# Allegro board LAUNCHXL-CC1312R1.brd (continued)
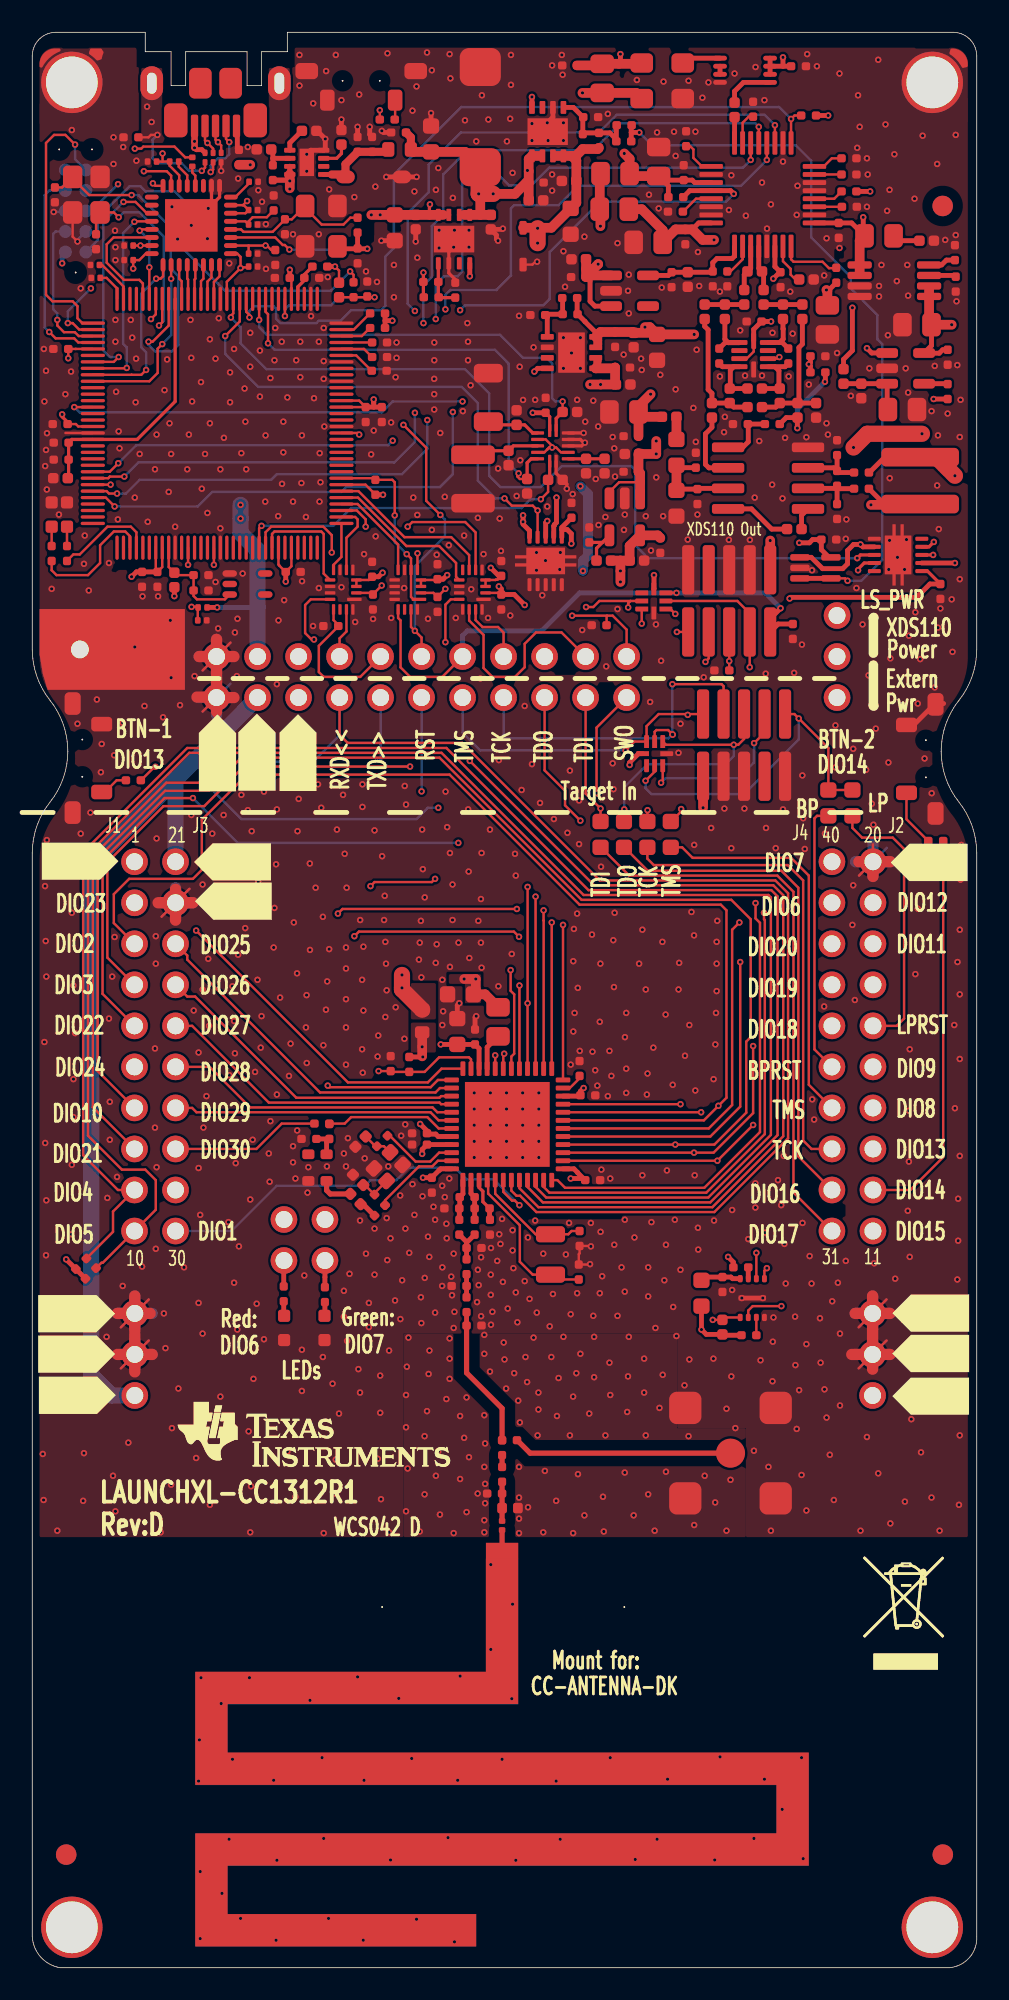
[diagram p0: board, top side]
## Routing (per net, layer and track width the routed paths; a pad name or vN(x,y) marks a point on that pad's centre or on a via; arc(x,y) is an arc through that point) (continued)
VBUS_DET: length 5
  TOP w0.15: R93.1 10.25,84.05 10.27,84.07 R92.1 10.23,84.24 v1(9.86,84.24) ; U5.12 v1(9.65,86.84)
  L3 w0.15: v1(9.65,86.84) 9.66,86.84 9.86,86.63 v1(9.86,84.24)
VDDC: length 16.2
  TOP w0.2: C45.1 2.25,92.25 C44.1 C43.1 2.45,94.6 U5.115 6.5,94.6 8.85,96.95 U5.87
VDDR: length 26.6
  TOP w0.3: v1(24.15,50.38) 24.15,50.65 C19.1 U1.45 ; v1(24.2,48.9) C20.1 24.75,48.91 25.2,49.36 25.21,49.36 25.3,49.45 U1.48
  TOP w0.6: v1(26.75,61.2) v1(27.47,61.2) 27.47,60.4 C18.1 28.05,60.25 L10.2
  L3 w0.6: v1(24.2,48.9) 24.2,50.32 v1(24.15,50.38) 22.57,50.38 22.15,50.8 22.15,57.89 22.91,58.65 24.26,58.65 24.67,59.06 24.67,59.86 25.31,60.5 26.9,60.5 26.98,60.57 27.01,60.57 27.38,60.94 27.38,60.97 27.47,61.07 v1(27.47,61.2) v1(26.75,61.2)
VDDS: length 36.4
  TOP w0.3: U1.34 27.67,56.9 C17.1 C16.1 v1(25.3,57.15) ; R1.2 v1(24.19,56.37) ; U1.22 33.9,53.95 C14.1 33.95,54.25 v1(34.15,54.45) ; U1.44 25.14,51.45 24.99,51.6 24.45,51.6 C15.1 24.45,51.8 v1(24.02,52.22) ; U1.13 33.55,49.45 33.79,49.21 33.79,49.2 34.24,48.75 C12.1 34.15,48.85 v1(33.35,48.85)
  TOP w0.6: 24.15,56.41 v1(24.15,57) FL1.1
  L3 w0.3: 32.79,54.65 32.99,54.45 v1(34.15,54.45)
  L3 w0.6: 26.11,55.35 25.21,55.35 v1(24.19,56.37) 24.19,56.96 v1(24.15,57) 24.3,57.15 v1(25.3,57.15) ; 26.11,55.35 26.21,55.25 26.21,52.65 25.78,52.22 v1(24.02,52.22) ; 26.11,55.35 32.09,55.35 32.79,54.65 32.79,49.41 v1(33.35,48.85)
BP_RESET: length 16.8
  TOP w0.15: R52.1 48.61,71.3 48.45,71.14 48.45,56.84 J2.11
DCDC_SW: length 2.3
  TOP w0.3: L10.1 28.17,56.97 U1.33
DIO1: length 26
  TOP w0.15: v1(30.17,47.2) 29.89,47.49 29.71,47.49 29.17,48.02 U1.6
  BOTTOM w0.15: J1.20 12.34,45.6 15.14,48.4 20.6,48.4 20.95,48.75 22.55,48.75 23.32,49.52 26.18,49.52 26.9,48.8 28.57,48.8 v1(30.17,47.2)
DIO4_SCL: length 110.6
  TOP w0.15: U1.9 30.67,48.32 31.63,47.37 42,47.37 46.16,51.54 46.16,66.31 45.77,66.7 34.45,66.7 25.65,75.5 9.6,75.5 3.15,69.05 3.15,50.29 5.3,48.14 J1.17 5,46.81 5,45.55 R2.1
DIO5_SDA: length 110
  TOP w0.15: U1.10 31.17,48.33 31.83,47.67 41.87,47.67 45.75,51.55 45.75,66.25 45.6,66.4 34.15,66.4 25.35,75.2 9.72,75.2 3.45,68.93 3.45,51.5 5.55,49.4 7,49.4 7.65,48.75 7.65,46.92 J1.19 4.37,43.64 4.29,43.64 R3.1
DIO6_RLED: length 84.5
  TOP w0.15: v1(18.93,65.25) 19.21,65.53 v1(30.01,65.53) ; v1(45.32,65.3) 45.32,64.9 45.38,64.85 45.38,51.6 41.75,47.97 32.03,47.97 31.67,48.33 U1.11
  L3 w0.15: v1(18.93,65.25) 18.93,54.22 18.08,53.38 17.32,53.38 15.59,51.64 P6.2 ; J2.3 45.94,65.92 v1(45.32,65.3) 41.62,65.3 41.12,64.8 36.32,64.8 34.87,63.35 29.97,63.35 29.72,63.59 29.72,65.25 v1(30.01,65.53)
DIO7_GLED: length 79.2
  TOP w0.15: U1.12 32.53,48.75 33,48.27 41.62,48.27 45.07,51.72 45.07,64.68 44.8,64.95 v1(44.8,65.9) ; v1(19.95,63.85) 20.23,64.13 29.83,64.13 v1(30.15,63.81)
  L3 w0.15: P6.4 18.13,47.38 17.71,47.8 17.71,51.86 19.95,54.1 v1(19.95,63.85) ; v1(30.15,63.81) 33.71,63.81 35.79,65.9 v1(44.8,65.9) 47.36,68.46 J2.1
DIO8_MISO: length 36
  TOP w0.15: v1(46.4,40.95) 44.62,40.95 44.35,40.68 U4.2 ; U1.14 v1(42.44,49.95) v1(44.65,52.16)
  L3 w0.15: v1(44.65,52.16) 46.94,54.45 50.84,54.45 J2.14 ; v1(46.4,40.95) 46.8,40.95 47.41,41.56 47.41,45.18 42.64,49.95 v1(42.44,49.95)
DIO9_MOSI: length 35.3
  TOP w0.15: U1.15 v1(40.99,50.45) 42.2,50.45 44.65,52.9 v1(44.65,57.05) ; U4.5 45.35,43.15 v1(45.5,43.3)
  L3 w0.15: v1(40.99,50.45) 40.99,50.08 44.52,46.55 45.07,46.55 45.87,45.75 45.87,43.67 v1(45.5,43.3) ; v1(44.65,57.05) 50.78,57.05 J2.12
DIO10_SCLK: length 98.7
  TOP w0.15: U1.16 v1(39.83,50.95) 42.25,50.95 44.22,52.93 44.22,57.32 44.5,57.6 44.5,64.9 43.3,66.1 34.02,66.1 25.22,74.9 12.95,74.9 10.9,72.85 8.22,72.85 4.05,68.68 4.05,55.5 J1.13 ; U4.6 v1(44.85,44.25)
  L3 w0.15: v1(44.85,44.25) 44.85,45.37 43.92,46.3 43.1,46.3 39.83,49.57 v1(39.83,50.95)
DIO11_CS: length 29.5
  TOP w0.15: U1.17 42,51.45 43.85,53.3 v1(43.85,62.25)
  L3 w0.15: v1(43.85,62.25) 44.25,62.25 44.4,62.1 50.79,62.1 J2.6
DIO12: length 31.3
  TOP w0.15: U1.18 41.9,51.95 43.35,53.4 43.35,64.25 v1(43.8,64.7)
  L3 w0.15: v1(43.8,64.7) 50.26,64.7 50.75,65.19 51.35,65.19 J2.4
DIO13_BTN1: length 73.7
  TOP w0.15: v1(14.9,73.85) 25.85,73.85 33.9,65.8 42.65,65.8 43,65.45 43,53.85 v1(42.5,53.35) 41.6,52.45 U1.19 ; v1(7.63,74.34) 7.57,74.34 6.74,73.5 R56.2
  L3 w0.15: v1(42.5,53.35) 44.35,51.5 45.28,51.5 45.73,51.95 50.8,51.95 J2.16 ; v1(7.63,74.34) 14.01,74.34 14.5,73.85 v1(14.9,73.85)
DIO14_BTN2: length 46
  TOP w0.15: J2.18 54.39,48.14 56.42,50.17 R55.2 ; U1.20 v1(41.43,52.95)
  L3 w0.15: J2.18 50.76,49.45 45.52,49.45 42.02,52.95 v1(41.43,52.95)
DIO15: length 22.5
  TOP w0.15: U1.21 v1(40.15,53.45)
  L3 w0.15: J2.20 50.77,46.9 48.03,46.9 47.07,47.85 47.07,47.85 46.31,47.85 46.31,47.86 43.39,50.78 42.82,50.78 v1(40.15,53.45)
DIO16_TDO: length 45.5
  TOP w0.15: R48.2 36.67,70.97 v1(36.67,71.7) ; P4.6 31.73,74.12 33,72.85 33,71.95 v1(33.95,71) ; U1.26 31.67,64.82 31.67,64.83 v1(31.67,65.45) ; CR8.5 39.25,75.7 v1(43.45,75.7) 43.73,75.7 44.09,76.06 P5.6
  L3 w0.15: v1(31.67,65.45) 31.67,65.85 31.67,65.86 31.67,69.5 33.18,71 v1(33.95,71) 35.97,71 v1(36.67,71.7)
  BOTTOM w0.15: v1(36.67,71.7) 36.67,73.07 38.1,74.5 42.95,74.5 43.45,75 v1(43.45,75.7)
DIO17_TDI: length 42.7
  TOP w0.15: U1.27 v1(31.17,66.3) ; v1(44.71,75.8) 45.36,76.45 P5.8 ; v1(38.95,73.35) 39.05,73.45 CR8.3 ; R49.2 v1(35.2,71.75) 34.27,72.68 P4.4
  L3 w0.15: v1(38.95,73.35) 38,72.4 35.85,72.4 v1(35.2,71.75) 32.01,71.75 31.17,70.92 v1(31.17,66.3)
  BOTTOM w0.15: v1(44.71,75.8) 44.71,75.4 44.7,75.39 44.7,74.6 43.72,73.62 43.72,73.63 39.23,73.63 v1(38.95,73.35)
DIO19_CTS: length 25
  TOP w0.15: v1(30.17,60.79) U1.29
  L3 w0.15: v1(30.17,60.79) 30.78,61.4 47.94,61.4 48.5,60.84 J2.7
DIO20_FLASH_CS: length 61.1
  TOP w0.15: U1.30 29.67,56.4 29.85,56.57 29.85,60.25 29.63,60.47 v1(29.63,61.75) ; v1(42.15,40.1) R11.2 42.9,40.25 U4.1
  L3 w0.15: J2.5 48.5,63.38 48.02,62.9 30.78,62.9 v1(29.63,61.75) 29.75,61.63 29.75,60 30.03,59.72 30.03,57.75 30.43,57.35 35.99,57.35 37.47,55.87 37.47,50.32 42.34,45.45 42.87,45.45 43.95,44.37 43.95,42.85 43.6,42.5 42.51,42.5 42.15,42.14 v1(42.15,40.1)
DIO21: length 62.1
  TOP w0.15: v1(10.7,73.35) 8.3,73.35 3.75,68.8 3.75,53.26 J1.15 ; v1(29.23,56.57) 29.17,56.52 U1.31
  L3 w0.15: v1(25.15,71.8) 25.84,71.8 29.2,68.44 29.2,61.34 29.38,61.16 29.38,57.13 29.23,56.98 v1(29.23,56.57)
  BOTTOM w0.15: v1(25.15,71.8) 24.5,71.8 23.8,71.1 12.95,71.1 v1(10.7,73.35)
DIO22: length 50.8
  TOP w0.15: v1(9.95,72.4) 8.2,72.4 4.35,68.55 4.35,60.28 J1.9 ; U1.32 v1(28.67,56.47)
  L3 w0.15: v1(26.39,69.62) 28.35,67.66 28.35,57.1 28.67,56.78 v1(28.67,56.47)
  BOTTOM w0.15: v1(9.95,72.4) 12.72,69.62 v1(26.39,69.62)
DIO23_ANALOG: length 25.3
  TOP w0.15: U1.36 25.35,55.65 24.5,54.8 19.55,54.8 v1(10.15,64.2)
  L3 w0.15: v1(10.15,64.2) 9.7,64.65 7.6,64.65 J1.3
DIO24_ANALOG: length 20.4
  TOP w0.15: v1(18.3,54.6) 18.32,54.6 18.42,54.5 24.67,54.5 25.12,54.95 U1.37
  L3 w0.15: J1.11 7.59,54.5 17.8,54.5 17.9,54.6 v1(18.3,54.6)
DIO25_ANALOG: length 21.2
  TOP w0.15: J1.6 9.6,62.65 9.6,62.4 17.82,54.18 24.97,54.18 25.25,54.45 U1.38
DIO26_ANALOG: length 20
  TOP w0.15: J1.8 9.6,60.11 10.09,60.11 16.35,53.85 25.22,53.85 25.32,53.95 U1.39
DIO27_ANALOG: length 19.1
  TOP w0.15: U1.40 25.32,53.45 25.22,53.55 14.65,53.55 9.9,58.3 J1.10
DIO28_ANALOG: length 18.3
  TOP w0.15: U1.41 25.09,52.95 24.79,53.25 13.5,53.25 10.99,55.76 J1.12
DIO29_ANALOG: length 17.4
  TOP w0.15: U1.42 25.17,52.45 24.67,52.95 10.17,52.95 9.9,53.22 J1.14
DIO30/TCXO_VCC: length 8.1
  TOP w0.15: R8.2 R9.1 19.35,52.25 19.75,52.65 24.47,52.65 25.17,51.95 U1.43
DIO30_ANALOG: length 9.3
  TOP w0.15: J1.16 13.88,50.68 15.45,52.25 R9.2
ET_1V8: length 6.8
  TOP w0.3: U35.1 43.5,105.95 43.35,105.8 42.41,105.8 42.15,105.54 C128.1 42.1,104.95 C159.1 C158.1 39.4,104.75 U43.5
ET_3V3: length 52.6
  TOP w0.15: U37.3 44.25,99.6 44.69,100.04 44.69,100.7
  TOP w0.3: U42.4 34.9,101.22 34.23,101.89 34.23,101.9 33.79,102.35 R132.2 33.75,102.37 C153.1 ; U42.4 U42.3 35.1,100.5 35.15,100.5 35.15,100.75 34.95,100.95 U42.4 ; C142.1 55.7,100.41 U41.5 55.25,99.94 56.18,99.94 56.39,100.15 C141.1 ; v1(45.76,101.9) C126.2 44.69,101.41 44.69,100.7 ; 55.55,103.95 U40.2
  TOP w0.6: U42.4 35.2,101.25 C154.1 37.2,101.25 C155.1 38.6,101.2 ; 55.55,103.95 U40.1 55.55,101.85 C142.1 v1(56.95,101.7) ; 38.6,101.2 38.25,101.55 v1(37.95,101.55) ; 38.6,101.2 C156.1 v1(41,101.1) ; v1(35.19,107.8) 35.19,108.81 FL6.2 35.15,111 FL5.1
  L3 w0.3: 45.79,102.5 45.76,102.48 v1(45.76,101.9)
  L3 w0.6: v1(56.95,101.7) 56.15,102.5 53.35,102.5 53.35,102.49 52.46,101.6 48.55,101.6 47.65,102.5 43.18,102.5 41.78,101.1 v1(41,101.1) ; v1(37.95,101.55) 37.95,107.08 37.23,107.8 v1(35.19,107.8)
ET_5V0: length 6.1
  TOP w0.3: U36.7 41.25,91.57 C125.2 39.97,91.52 C168.1 ; C167.1 40.05,92.85 FL3.1
  TOP w0.6: FL3.1 C168.1
ET_AVDD: length 22.6
  TOP w0.3: U35.32 41.28,108 40.88,107.6 ; v1(45.9,104.55) 46.3,104.95 C120.1 46,105.3 U35.6 ; R98.1 49.35,103.85 v1(49.19,103.85)
  TOP w0.6: v1(49.19,103.85) 49.25,103.79 C122.1 ; FL6.1 37.75,108.85 39.05,107.55 C121.1 39.85,107.6 C119.1 40.88,107.6 41.53,106.95 v1(42.23,106.95)
  L3 w0.3: v1(45.9,104.55) 47.18,104.55 47.27,104.64
  L3 w0.6: v1(49.19,103.85) 48.06,103.85 47.27,104.64 47.27,105.24 45.56,106.95 v1(42.23,106.95)
ET_BYPASS: length 60.8
  TOP w0.15: U5.78 12.45,102.4 12.3,102.25 v1(12.3,102.15)
  TOP w0.2: U33.4 55.54,87.95 v1(55.84,88.25) ; v1(51.1,87.25) 51.3,87.45 U33.8
  L3 w0.2: v1(55.84,88.25) 54.72,88.25 54.27,87.8 52.91,87.8 52.36,87.25 v1(51.1,87.25)
  BOTTOM w0.15: v1(12.3,102.15) 12.9,101.55 12.9,100.55 14.5,98.95 26.8,98.95 28.3,97.45 28.3,92.35 29,91.65 31.5,91.65 32.8,92.95 37.1,92.95 37.35,92.7 37.35,88.05 37.95,87.45 37.95,87.4 38.1,87.25 v1(51.1,87.25)
ET_CAL0: length 25.7
  TOP w0.15: R129.1 v1(32.85,96.95) ; U5.74 v1(14.05,102)
  TOP w0.2: U39.13 32.45,95.9 R129.1
  BOTTOM w0.15: v1(14.05,102) 14.05,101.55 14.52,101.07 28.97,101.07 30.4,99.65 31.85,99.65 32.2,99.3 32.2,97.15 32.4,96.95 v1(32.85,96.95)
ET_CAL1: length 27.9
  TOP w0.15: v1(14.6,100.55) 14.6,101.25 14.6,101.25 14.6,102.35 14.45,102.5 U5.73 ; R128.1 30.2,92.15 30.05,92.3 30.05,92.43 v1(30.12,92.5)
  TOP w0.2: R128.1 30.65,93.15 30.9,93.4 U39.5
  BOTTOM w0.15: v1(14.6,100.55) 15,100.15 28.65,100.15 29.5,99.3 29.5,93.12 v1(30.12,92.5)
ET_CAL2: length 22
  TOP w0.15: R127.1 31.95,91.35 v1(31.5,90.9) ; v1(14.2,89.25) 14.05,89.1 U5.23
  TOP w0.2: U39.6 32.05,92.2 R127.1
  BOTTOM w0.15: v1(31.5,90.9) 30.85,90.9 30.3,90.35 19.75,90.35 18.65,89.25 v1(14.2,89.25)
ET_CALIBRATE: length 31.6
  TOP w0.15: v1(11.95,101) 12.85,101.9 U5.77 ; U38.4 v1(31.3,90.2) 31,90.5 29.7,90.5 v1(29.25,90.95)
  BOTTOM w0.15: v1(11.95,101) 11.95,99.9 14,97.85 26.6,97.85 27.6,96.85 27.6,92.05 28.7,90.95 v1(29.25,90.95)
ET_DVDD: length 41.7
  TOP w0.3: 39.05,110.65 C117.1 ; 39.05,110.65 C116.1 40.88,110.65 41.03,110.5 U35.27 ; 39.05,110.65 39.4,110.3 R114.1 ; R96.1 v1(49.3,114.65) ; R119.1 v1(51.9,109.95)
  TOP w0.6: v1(36.67,112.3) 37,111.97 FL5.2 37.15,110.9 C117.1 ; v1(34.08,116.05) FL4.1 37.4,116.05 Y6.1
  L3 w0.3: 50.07,114.6 50.02,114.65 v1(49.3,114.65)
  L3 w0.6: v1(34.08,116.05) 36.43,116.05 37,115.48 37,114.65 ; 37,114.65 42.15,114.65 43.95,116.45 49.29,116.45 50.07,115.67 50.07,110.83 50.95,109.95 v1(51.9,109.95) ; 37,114.65 36.67,114.32 v1(36.67,112.3)
ET_FB: length 45.1
  TOP w0.15: v1(50.5,85.85) 50.35,86 U45.4
  TOP w0.3: C169.2 37.1,114.03 37.1,113.6 ; U45.3 U45.4 ; R138.1 37.1,113.6 ; 37.1,113.6 v1(37.6,113.6)
  BOTTOM w0.15: v1(37.6,113.6) 38.4,112.8 47.3,112.8 48.25,111.85 48.25,107.1 50.7,104.65 50.7,103.95 52.35,102.3 52.35,100.8 52.65,100.5 52.65,87.15 51.35,85.85 v1(50.5,85.85)
ET_PM2: length 48.6
  TOP w0.15: v1(13.45,102.15) 13.45,102.3 13.25,102.5 13.25,103.3 ; U35.17 v1(47,114.44) 47.21,114.65 R96.2
  BOTTOM w0.15: v1(13.45,102.15) 13.45,102.55 13.75,102.85 14.95,102.85 15.1,102.7 15.1,102.08 15.38,101.8 17.6,101.8 17.75,101.95 19.1,101.95 19.75,102.6 21.6,102.6 21.88,102.88 21.88,105.93 22.4,106.45 22.4,111 26.57,115.18 46.26,115.18 v1(47,114.44)
ET_PN3: length 56.3
  TOP w0.15: U5.110 v1(2.6,96.6)
  TOP w0.3: R114.2 40.72,110 U35.28 43.25,110 v1(43.45,109.8)
  L3 w0.15: v1(26.65,96.95) 26.65,97.35 26.5,97.5 v1(26.5,102.6)
  BOTTOM w0.15: v1(2.6,96.6) 2.92,96.27 21.65,96.27 22.32,96.95 v1(26.65,96.95) ; v1(43.45,109.8) 42.97,109.32 35.17,109.32 32.05,106.2 32.05,103.3 31.65,102.9 26.8,102.9 v1(26.5,102.6)
ET_SSICLK: length 59.1
  TOP w0.15: v1(5.32,93.12) 4.8,92.6 U5.120 ; U35.22 v1(44.5,111.9)
  L3 w0.15: v1(22.32,94.52) 24.06,94.52 25.35,95.81 25.35,101.69 v1(24.99,102.05)
  BOTTOM w0.15: v1(22.32,94.52) 22.04,94.24 6.44,94.24 v1(5.32,93.12) ; v1(24.99,102.05) 24.99,104.19 25.5,104.7 26.35,104.7 26.62,104.98 26.62,110.77 26.8,110.95 28.9,110.95 29.52,110.33 30.92,110.33 32.02,111.43 44.02,111.43 v1(44.5,111.9)
ET_SSIDAT0: length 61.5
  TOP w0.15: U5.123 4.6,91.4 4.75,91.25 v1(5.25,91.25) ; U35.21 v1(45,113.95)
  L3 w0.15: v1(24.47,95.8) 24.47,101.56 v1(24.23,101.8)
  BOTTOM w0.15: v1(5.25,91.25) 5.8,91.25 6.65,92.1 14.8,92.1 15.15,92.45 22.9,92.45 24.47,94.02 v1(24.47,95.8) ; v1(24.23,101.8) 24.23,104.13 24.75,104.65 24.75,107.8 25.45,108.5 25.45,111 26.95,112.5 34.75,112.5 36.42,114.18 44.77,114.18 v1(45,113.95)
ET_SSIDAT1: length 61.5
  TOP w0.15: U35.20 v1(45.5,111.9) ; v1(5.1,90.45) 4.55,91 3.75,91
  L3 w0.15: v1(25.59,102.65) 26.05,102.19 v1(26.05,96.3)
  BOTTOM w0.15: v1(26.05,96.3) 26.05,92.45 25.25,91.65 19.45,91.65 19.15,91.35 11.15,91.35 10.25,90.45 v1(5.1,90.45) ; v1(25.59,102.65) 25.59,103.55 25.89,103.85 28.75,103.85 29.65,104.75 29.65,108.9 29.85,109.1 32.6,109.1 33.8,110.3 43.9,110.3 v1(45.5,111.9)
ET_SSIFSS: length 62.9
  TOP w0.15: U5.121 4.7,92.2 4.8,92.3 v1(5.7,92.3) ; U35.19 v1(46,114.05)
  L3 w0.15: v1(23.7,96.25) v1(23.7,102.55)
  BOTTOM w0.15: v1(5.7,92.3) 6.58,93.18 22.42,93.18 23.7,94.45 v1(23.7,96.25) ; v1(23.7,102.55) 23.25,103 23.25,108.6 24.55,109.9 24.55,111.6 26.55,113.6 35.1,113.6 36.2,114.7 45.35,114.7 v1(46,114.05)
ET_VDD: length 61.3
  TOP w0.3: 32.4,112.15 U46.3
  TOP w0.6: 31.3,107.7 CR14.1 ; 31.3,107.7 32.15,107.7 C174.1 33.7,109.25 C173.1 33.7,111.86 33.41,112.15 ; 31.3,107.7 v1(31.3,107.67) ; 33.41,112.15 U46.4 32.4,112.15 ; 33.41,112.15 33.67,112.15 R151.2 35.03,112.58 C172.1
  TOP w1: v1(31.3,107.67) v1(31.3,106.75)
  L3 w1: v1(31.3,106.75) v1(31.3,107.67) 31.36,107.67 33.04,109.35 33.08,109.35 34.43,110.7 38.78,110.7 40.19,109.29 40.19,102.65 39.83,102.29 39.83,99.75 42.63,96.95 49.6,96.95 50.35,96.2 52.83,96.2 53.23,95.8 53.23,94.19 49.35,90.31 49.35,85.65 49.85,85.15 P10.1
ET_VREF: length 17
  TOP w0.3: v1(50.8,102.75) 50.8,100.1 50.25,99.55 R121.1 ; 51.47,107.28 50.75,108 C127.1 U35.9 ; 51.47,107.28 C146.1 ; 51.47,107.28 v1(51.47,108.35) ; 51.25,104.9 U40.6
  TOP w0.6: C146.1 51.25,106.9 U40.5 51.25,104.9
  L3 w0.3: v1(51.47,108.35) 51.47,103.42 v1(50.8,102.75)
IRSTN: length 24.6
  TOP w0.15: v1(19.69,105) 19.9,104.79 R20.2
  BOTTOM w0.15: P8.10 4.05,106.93 4.05,108.3 6.02,110.27 6.7,110.27 7.02,109.95 8.82,109.95 9.42,109.35 9.42,106.32 11.95,103.8 18.49,103.8 v1(19.69,105)
ITCK: length 13
  TOP w0.15: v1(1.05,101.25) 1.44,100.86 2.59,100.86 2.85,100.6 U5.100
  BOTTOM w0.15: P8.4 1.06,110.01 0.76,109.71 0.76,101.54 v1(1.05,101.25)
ITDI: length 14.3
  TOP w0.15: v1(2.2,101.8) 2.5,101.8 2.9,101.4 U5.98
  L3 w0.15: v1(3.63,103.95) 4.51,104.83 4.51,109.6 v1(5.31,110.4)
  BOTTOM w0.15: P8.8 3.75,109.17 4.08,109.17 v1(5.31,110.4) ; v1(3.63,103.95) 2.2,102.52 v1(2.2,101.8)
ITDO: length 17.6
  TOP w0.15: v1(2.65,112.85) 2.05,113.45 1.35,113.45 0.85,112.95 0.85,103.55 1.25,103.15 2.5,103.15 2.8,102.85 2.8,102.1 3.1,101.8 U5.97
  BOTTOM w0.15: v1(2.65,112.85) 2.65,111.95 P8.6
ITMS: length 9.1
  TOP w0.15: v1(1.55,102) 1.55,101.65 1.96,101.24 2.64,101.24 2.88,101 3.75,101
  BOTTOM w0.15: v1(1.55,102) 1.55,102.4 1.3,102.65 1.3,107.32 1.45,107.47 P8.2
LP_RESET: length 17.1
  TOP w0.15: J2.10 53.55,58.3 54,58.75 54,69.25 53.3,69.95 51.4,69.95 50.8,70.55 R51.1
LS_VDD: length 60.1
  TOP w0.15: U10.2 24.85,85.1 C74.1 25.1,84.86 v1(25.59,85.35) ; U9.2 28.95,85.1 C72.1 ; U8.2 21,85.1 C70.1 21.1,85.01 v1(21.64,85.56)
  TOP w0.2: v1(51.15,86.5) 51.15,86.57 51.53,86.95 U33.9 ; U33.3 v1(55.8,87.45)
  TOP w0.3: v1(30.5,84.35) 29.85,85 C72.1 29.05,85.35 v1(28.9,85.5) ; v1(38.51,86.2) 38.51,85.36 CR7.8
  TOP w0.6: P7.1 v1(45.71,88.34)
  L3 w0.15: v1(28.9,85.5) 28.5,85.5 28.25,85.75 25.99,85.75 v1(25.59,85.35) 25.1,85.84 21.93,85.84 v1(21.64,85.56)
  L3 w0.3: v1(38.51,86.2) 37.44,85.12 32.89,85.12 32.12,84.35 v1(30.5,84.35)
  L3 w0.6: v1(55.8,87.45) 55.36,87.45 54.96,87.05 ; 44.31,85.95 38.76,85.95 v1(38.51,86.2) ; 44.31,85.95 44.46,85.95 45.71,87.2 v1(45.71,88.34) ; 44.31,85.95 44.31,82.05 45.2,81.16 P10.2 ; 51.76,86.05 51.31,86.5 v1(51.15,86.5)
  L3 w1: P10.2 51.3,81.16 53.41,83.27 53.41,85.45 53.31,85.55 ; 53.31,85.55 52.26,85.55 51.76,86.05 ; 53.31,85.55 54.46,85.55 54.96,86.05 54.96,87.05
SW_VDD: length 59.6
  TOP w0.2: C114.1 55.45,86.45 U33.1 ; C140.1 32.05,96 U39.14
  TOP w0.3: v1(47.51,88.2) 48.14,88.2 48.34,88.4 C170.2 48.88,87.78 49.35,87.3 U45.5 ; C140.1 v1(31,96.25) ; 32.8,89.02 32.8,89.15 C139.1 ; 32.8,89.02 33.13,89.02 33.39,88.76 v1(33.39,88.15) ; 32.8,89.02 U38.1 ; v1(46.91,84.75) 46.98,84.82 54.77,84.82 55.6,85.65 C114.1
  TOP w0.6: 36.43,87.1 C163.1 37,88.01 U44.5 38.74,88.66 C162.1 ; 36.43,87.1 R134.2 ; 36.43,87.1 v1(36.43,86.46) v1(36.43,85.78)
  L3 w0.3: v1(47.51,88.2) 46.91,88.2
  L3 w0.6: v1(36.43,85.78) v1(36.43,86.46) ; v1(36.43,86.46) v1(34.11,86.46) 33.4,87.17 33.4,87.51 33.39,87.52 v1(33.39,88.15) ; v1(36.43,86.46) 36.43,87.59 37.99,89.15 42.4,89.15 43.35,90.1 46.31,90.1 46.91,89.5 v1(46.91,84.75) ; v1(33.95,91.7) 33.95,92.33 33.55,92.73 33.55,94.71 31.96,96.3 31.05,96.3 v1(31,96.25)
  BOTTOM w0.6: v1(33.95,91.7) 34.43,91.22 34.43,87.4 34.11,87.09 v1(34.11,86.46)
TARGET_VDD: length 22.8
  TOP w0.3: v1(30.4,89.9) v1(30.4,89.5) 30.4,89.35 30.8,88.95 U38.5
  L3 w1: P4.17 16.49,83.49 17.4,84.4 21.68,84.4 21.69,84.41 29.05,84.41 30.35,85.71 30.35,89.85 v1(30.4,89.9)
TCXO_OUTPUT: length 1.2
  TOP w0.32: R7.1 20.49,47.26 C25.2
USB1V8: length 15
  TOP w0.15: C84.1 v1(6.7,106.6) U15.15 ; 13.4,106.6 U15.26 ; 13.4,106.6 v1(14.45,106.6) 14.53,106.6 14.8,106.32 C85.2 ; 13.4,106.6 C83.1
  L3 w0.15: v1(14.45,106.6) 14.03,106.18 14.03,104.67 13.71,104.35 11.98,104.35 10.23,106.1 7.2,106.1 v1(6.7,106.6)
USB_VBUS: length 13.1
  TOP w0.3: v1(10.05,112.65) 10.16,112.54 10.5,112.54 CR6.6
  TOP w0.32: U47.3 U47.4 ; v1(15.95,110.6) 15.9,110.65 R154.1
  TOP w0.4: J6.1 v1(10.05,113.05) v1(10.05,112.65)
  TOP w0.6: U47.4 v1(15.95,110.6) 15.95,110.15 ; C106.1 v1(13.5,111.6)
  L3 w0.15: v1(13.5,111.6) 13.53,111.6
  L3 w0.6: v1(15.95,110.1) v1(15.95,110.6) 14.53,110.6 13.13,112 10.47,112 10.05,112.42 v1(10.05,112.65) v1(10.05,113.05)
USBA1V8: length 3.2
  TOP w0.15: 14.95,108.76 C86.2 14.52,108.35 13.65,108.35 13.4,108.1 C87.1 13.2,108.1 U15.29
USBCLK: length 7.8
  TOP w0.15: U5.92 6.85,104.25 6.63,104.48 5.67,104.48 4.61,105.54 4.61,106.68 5.03,107.1 U15.14
USBD0: length 2.2
  TOP w0.15: U15.24 11.6,104.7 11.25,104.35 U5.81
USBD1: length 2.2
  TOP w0.15: U5.82 10.85,104.37 11.1,104.62 U15.23
USBD2: length 2.2
  TOP w0.15: U15.22 10.6,104.55 10.45,104.4 U5.83
USBD3: length 2.1
  TOP w0.15: U15.21 10.1,104.55 10.05,104.5 U5.84
USBD4: length 2.1
  TOP w0.15: U15.20 9.6,104.55 9.65,104.5 U5.85
USBD5: length 2.2
  TOP w0.15: U5.86 9.25,104.4 9.1,104.55 U15.19
USBD6: length 11.3
  TOP w0.15: v1(8.6,104.55) U15.18 ; U5.106 7.25,98.2 7.76,98.71 7.76,100.21 v1(8.05,100.5)
  BOTTOM w0.15: v1(8.6,104.55) 8.6,101.05 v1(8.05,100.5)
USBD7: length 10.8
  TOP w0.15: U15.17 8.1,104.7 7.95,104.55 v1(7.67,104.55) ; U5.105 6.15,98.6 6.15,98.6 6.75,98.6 v1(7.05,98.9)
  BOTTOM w0.15: v1(7.67,104.55) 6.75,103.63 6.75,100.3 7.05,100 v1(7.05,98.9)
USBDIR: length 12.6
  TOP w0.15: v1(6.33,108.07) 6.37,108.07 6.4,108.1 U15.12 ; v1(5.85,99.03) 5.82,99 U5.104
  BOTTOM w0.15: v1(6.33,108.07) 5.62,107.37 5.62,100.52 5.85,100.3 v1(5.85,99.03)
USBDM: length 9.3
  TOP w0.15: v1(7.47,110.45) 7.62,110.3 U15.8 ; CR6.5 11.2,112.6 v1(10.85,112.95) 10.7,113.1 J6.2
  L3 w0.15: v1(7.47,110.45) 7.47,112.62 8.59,113.75 10.68,113.75 10.83,113.6 10.83,112.97 v1(10.85,112.95)
USBDP: length 12.3
  TOP w0.15: U15.7 8.6,110.93 8.33,111.2 v1(6.91,111.2) ; J6.3 11.35,113.15 v1(11.5,113) 11.7,112.8 CR6.4
  L3 w0.15: v1(11.5,113) 11.5,114 11.35,114.15 7.91,114.15 7.03,113.27 7.03,111.5 6.91,111.38 v1(6.91,111.2)
USBNXT: length 14.6
  TOP w0.15: v1(5.35,99.7) 5.05,99.4 U5.103 ; v1(5.65,109.3) 6.39,109.3 7.09,108.6 U15.11
  BOTTOM w0.15: v1(5.35,99.7) 4.8,99.7 4.4,100.1 4.4,108.05 v1(5.65,109.3)
USBSTP: length 5.3
  TOP w0.15: v1(6.65,107.52) 6.67,107.52 6.75,107.6 U15.13 ; U5.91 v1(7.25,105.25)
  BOTTOM w0.15: v1(6.65,107.52) 7.25,106.93 v1(7.25,105.25)
VCM: length 18.9
  TOP w0.3: v1(55.83,97.1) R131.1 ; U41.1 52,99.95 v1(51.7,100.25) ; v1(47.39,95.3) 47.39,95.94 R109.2 46.7,95.95 R100.1 ; v1(49.1,98.17) 49.12,98.2 R111.2
  L3 w0.3: 52.35,98.17 52.95,98.77 U41.1 52.65,100.25 v1(51.7,100.25) ; 52.35,98.17 v1(49.1,98.17) ; 52.35,98.17 54.76,98.17 v1(55.83,97.1)
  BOTTOM w0.3: v1(49.1,98.17) 47.39,96.46 v1(47.39,95.3)
WMCU_RESET: length 70
  TOP w0.15: v1(20.95,66.95) 21.2,67.2 24.75,67.2 v1(24.95,67.4) ; v1(21.45,55.5) C52.1 22.25,55.45 R1.1 24.3,55.45 25.2,56.35 27.05,56.35 27.17,56.22 U1.35 ; 47.47,77.33 49.31,75.5 R52.2 R51.2 ; 47.47,77.33 v1(47.47,77.32) ; 47.47,77.33 47.21,77.6 P5.10 ; CR8.2 38.55,74.03 v1(37.99,73.47)
  L3 w0.15: v1(24.95,67.4) 24.95,70.85 24.11,71.69 v1(24.11,72.81) 24.77,73.47 v1(37.99,73.47) ; v1(20.95,66.95) 20.95,55.92 21.37,55.5 v1(21.45,55.5)
  BOTTOM w0.15: v1(24.11,72.81) P4.12 ; v1(47.47,77.32) 47.47,76.03 44.1,72.65 38.35,72.65 37.99,73.01 v1(37.99,73.47)
WMCU_RXD: length 95.4
  TOP w0.15: U1.7 29.67,48.1 29.99,47.78 30.21,47.78 31.23,46.77 42.25,46.77 46.81,51.34 46.81,66.51 46.02,67.3 35.15,67.3 26.63,75.81 19.53,75.81 19.03,76.32 P4.16 ; J1.5 5.05,64.66 5.05,66.45 6,67.4 9.95,67.4 10.5,67.95 10.5,71.05 13.2,73.75 v1(13.71,73.75)
  BOTTOM w0.15: v1(13.71,73.75) 14.6,74.65 17.39,74.65 19.05,76.3 19.05,77.57 19.03,77.59 P4.16
WMCU_SWO: length 47.1
  TOP w0.15: v1(30.68,66.9) v1(30.68,59.7) 30.67,59.69 U1.28 ; P4.2 34.95,76.76 v1(34.95,72.7)
  L3 w0.15: v1(34.95,72.7) 31.24,72.7 30.68,72.14 v1(30.68,66.9) ; v1(30.68,59.7) 46.7,59.7 48.1,58.3 J2.9
WMCU_TCK: length 49.4
  TOP w0.15: v1(38.11,71.65) 38.1,71.64 R47.2 ; v1(39.67,76.32) v1(39.65,76.34) 39.38,76.61 38.66,76.61 38.55,76.5 CR8.6 ; v1(39.65,79.45) 42.7,79.45 42.82,79.33 P5.4 ; U1.25 v1(32.17,64.7)
  L3 w0.15: v1(39.67,76.32) v1(39.65,76.34) 39.55,76.25 39.55,72.55 38.65,71.65 v1(38.11,71.65) 36.71,70.25 33.87,70.25 32.17,68.56 v1(32.17,64.7)
  BOTTOM w0.15: v1(39.65,79.45) v1(39.65,76.34) 39.41,76.1 29.35,76.1 29.19,76.26 P4.8
WMCU_TMS: length 48
  TOP w0.15: v1(40.6,77.55) 40.65,77.6 ; 40.65,77.6 P5.2 ; 40.65,77.6 38.8,77.6 38.05,76.85 CR8.7 37.3,75.9 v1(36.75,75.35) ; v1(40.19,71.72) 40.19,71.57 39.57,70.95 R46.2 ; U1.24 v1(32.88,64.55)
  L3 w0.15: v1(40.6,77.55) 40.6,72.13 v1(40.19,71.72) 38.02,69.55 34.57,69.55 32.88,67.85 v1(32.88,64.55)
  BOTTOM w0.15: v1(36.75,75.35) 27.75,75.35 26.65,76.45 P4.10
WMCU_TXD: length 96.1
  TOP w0.15: U1.8 30.17,48.25 31.35,47.07 42.12,47.07 46.51,51.47 46.51,66.38 45.9,67 34.8,67 v1(27.1,74.7) ; J1.7 4.65,62.52 4.65,68.43 8.12,71.9 10.65,71.9 13.1,74.35 v1(23.4,74.35)
  L3 w0.15: v1(23.4,74.35) 23.75,74.7 v1(27.1,74.7)
  BOTTOM w0.15: P4.14 21.57,74.81 22.03,74.35 v1(23.4,74.35)
WMCU_VDD: length 189.7
  TOP w0.3: CR8.8 37.55,75.15 37,74.6 v1(37,74.45) ; v1(43.1,44) 43.43,43.67 R60.2 ; 2.7,43.25 3.3,42.65 R3.2 ; 2.7,43.25 R2.2 2.7,43.25 ; 2.7,43.25 v1(2.1,43.84) ; R12.2 v1(41.45,39.5) 41.75,39.2 R11.1 42.8,39.15 R59.2
  TOP w0.6: P5.1 v1(41.55,71.8)
  TOP w1: FL1.2 22.9,60.55 v1(22.9,60.65) v1(22.9,61.45)
  L3 w0.3: P1.1 52.03,35.4 50.75,35.4 49.83,36.32 49.83,38.05 48.38,39.5 v1(41.45,39.5) 41.44,39.5 40.99,39.95 40.99,43.19 41.8,44 v1(43.1,44) ; J1.1 4.25,68.46 1.54,65.75 1.54,44.4 v1(2.1,43.84)
  L3 w0.6: v1(37,74.45) 37.38,74.45 37.83,74.9 37.83,75.98 37.51,76.3 ; 21.59,76.18 21.47,76.3 ; 42.19,78.55 42.15,78.51 42.15,72.58 41.55,71.98 v1(41.55,71.8)
  L3 w1: J1.1 6.33,74.72 ; 6.33,74.72 7.91,76.3 17.07,76.3 ; 6.33,74.72 6.31,74.7 ; 17.07,76.3 37.51,76.3 39.76,78.55 49.78,78.55 P10.3 52.2,78.62 52.23,78.65 52.37,78.65 54.07,76.95 54.07,71.02 56.03,69.06 56.03,37.84 53.61,35.42 P1.1 ; 17.07,76.3 16.49,76.88 P4.18 ; 21.59,76.18 21.59,71.75 22.9,70.44 v1(22.9,61.45) v1(22.9,60.65)
XDS_RESET: length 11.5
  TOP w0.15: v1(22.45,89.9) 22.45,91.95 22.3,92.1 R58.1 21.15,92.2 U5.40 ; U10.1 23.61,84.7 23.46,84.85 U10.6 23.46,87.24 23.2,87.5 v1(23.19,87.5)
  BOTTOM w0.15: v1(22.45,89.9) 22.45,88.24 v1(23.19,87.5)
XDS_RESET_LS: length 58.3